# KiCad board mtt_final.kicad_pcb (continued)
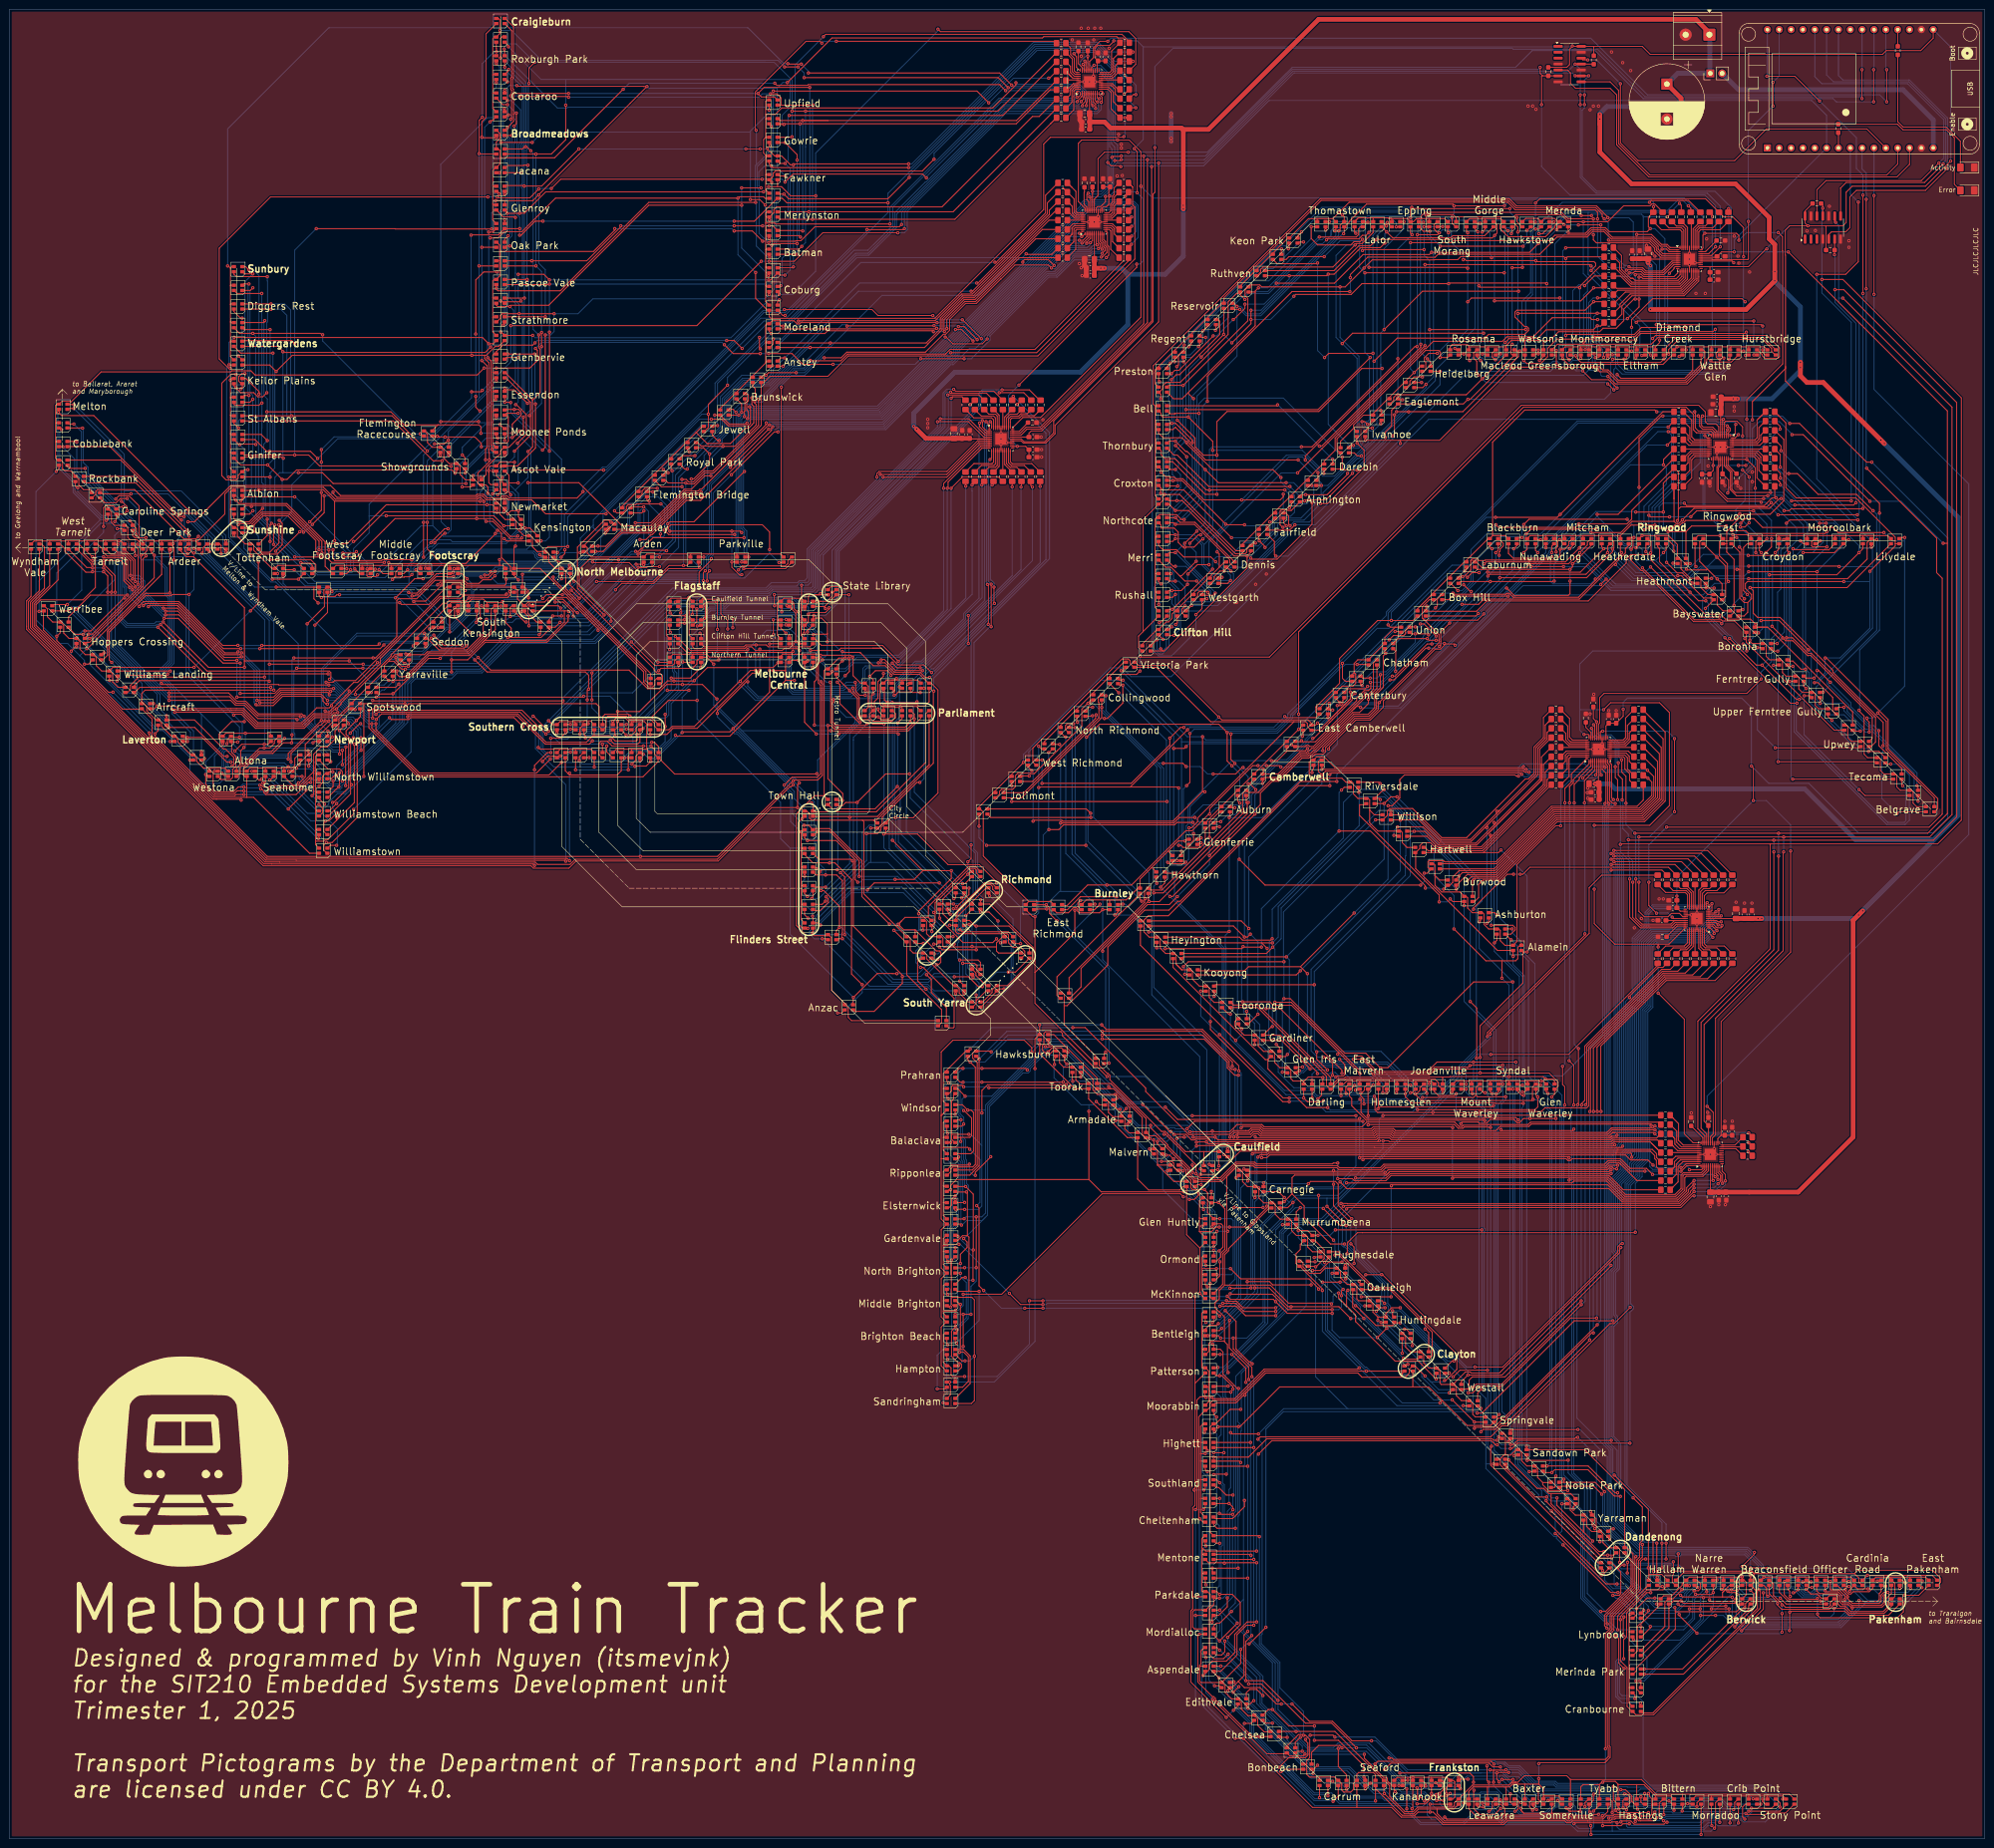
[diagram p0: board, top side]
## Routing (per net, layer and track width the routed paths; a pad name or vN(x,y) marks a point on that pad's centre or on a via; arc(x,y) is an arc through that point) (continued)
/L5_A8: length 231.6
  Top w0.2: v1(371.5,58.4) 374.1,61 374.1,61.4 v1(374.12,61.42) ; 342.7,231.19 342.7,230.7 343.1,230.3 343.1,222.75 343.7,222.15 344.22,222.15 v1(344.3,222.07) ; 363.65,56.1 367.4,56.1 ; 363.65,56.1 363.5,55.95 D409.3 ; 363.65,56.1 360.15,56.1 D410.3 ; 367.4,56.1 367.5,56 D406.3 ; 367.4,56.1 371.5,56.1 D405.3 371.95,55.45 372.4,55 372.4,52.35 D407.3 ; 359.43,55.45 358.65,54.67 358.65,54.35 356.4,52.1 354.65,52.1 D408.3
  Bottom w0.2: v1(374.12,61.42) 373.84,61.42 372.77,62.5 349.87,62.5 343.8,68.57 343.8,75.55 344.69,76.44 344.69,83.32 342.8,85.2 342.8,144.83 342.8,144.84 342.8,220.57 343.3,221.07 343.35,221.07 343.94,221.65 343.94,221.7 v1(344.3,222.07) ; v1(371.5,58.4) v1(371.5,56.2)
/L5_A9: length 216.8
  Top w0.2: 347.25,40.4 347.25,36.4 ; 347.25,40.4 D414.3 ; 347.25,40.4 347.25,44.4 ; 347.25,36.4 347.75,36.4 ; 347.25,36.4 347.25,32.4 ; 347.25,32.4 347.25,29.15 D411.3 ; 347.25,32.4 D412.3 ; 338.7,231.19 338.7,230.6 335.3,227.2 335.3,226.53 334.48,225.72 334.5,225.7 v1(334.5,222.2) ; v1(334.4,166.9) 335.4,165.9 v1(335.4,157.4) ; 347.25,44.4 347.25,47.91 v1(347.46,48.12) 347.74,48.4 ; 347.25,44.4 D415.3
  Bottom w0.2: v1(334.5,222.2) 334.5,167 v1(334.4,166.9) ; v1(335.4,157.4) 334.83,156.83 334.83,152.47 334.8,152.45 334.8,151.7 335,151.5 335,78.23 338.3,74.93 338.3,52.6 342.5,48.4 347.18,48.4 v1(347.46,48.12)
/L5_A10: length 214.6
  Top w0.2: 351.5,56.7 351.5,56.7 354.25,56.7 D417.3 ; 351.5,56.7 D418.3 ; 351.5,56.7 351.5,57.8 351.4,57.9 v1(351.4,58.1) 351.4,70.7 344.1,78 v1(344.09,78) ; 340.87,65.9 339.25,65.9 338.15,67 338.15,68.75 337.5,69.4 335.75,69.4 334.65,70.5 334.65,72.25 334,72.9 ; D419.3 344.95,62.45 345.25,62.15 v1(345.25,59.3) ; v1(343.9,222.9) 343.5,223.3 343.5,230.46 343.21,230.75 343.21,231.7 ; 341,65.9 341.65,65.25 341.65,63.5 342.75,62.4 344.45,62.4
  Bottom w0.2: v1(351.4,58.1) 351.2,57.9 345.62,57.9 345.25,58.27 v1(345.25,59.3) ; v1(343.9,222.9) 343.43,222.43 343.53,222.32 343.53,221.82 343.18,221.47 342.93,221.47 342.4,220.94 342.4,145 342.4,145 342.4,85.03 343.8,83.63 343.8,78.28 v1(344.09,78)
/L5_A11: length 221
  Top w0.2: D426.3 320.45,86.95 320.75,86.65 320.75,82.62 320.27,82.13 ; 320.27,82.13 319.65,81.52 ; 320.27,82.13 320.43,82.3 321.9,82.3 323.05,83.45 D425.3 ; 319.65,81.52 319.53,81.4 D428.3 ; 319.65,81.52 319.65,80.18 340.63,59.2 D427.3 ; 323.6,83.45 324.25,82.8 324.25,81.05 325.35,79.95 D424.3 ; v1(333.48,157.4) 333.48,161.32 333,161.8 v1(333,165.7) ; v1(334.1,74.7) 329.98,74.7 328.75,75.93 328.75,76.4 ; 327,79.9 327.65,79.25 327.65,77.5 328.75,76.4 ; 328.75,76.4 330.45,76.4 ; 338.19,231.7 334.9,228.41 334.9,226.7 333.5,225.3 v1(333.5,222.2)
  Bottom w0.2: v1(333.48,157.4) 333.28,157.2 333.28,78 334.6,76.68 334.6,75.2 v1(334.1,74.7) ; v1(333,165.7) 333.5,166.2 v1(333.5,222.2)
/L5_CS: length 187.8
  Top w0.2: U7.28 340.7,239.08 340.95,239.33 340.95,244.75 341.9,245.7 372.5,245.7 v1(375.6,248.8) ; v1(396.3,282.9) 381.7,282.9 v1(381,282.2) ; v1(387.5,335.6) 393.7,335.6 396.4,338.3 v1(396.4,351.1)
  Bottom w0.2: v1(396.3,282.9) 387.5,291.7 v1(387.5,335.6) ; v1(375.6,248.8) 375.6,250.3 377.8,252.5 377.8,257.5 379.1,258.8 379.1,267.4 379.8,268.1 379.8,276.4 381.05,277.65 381.05,282.15 v1(381,282.2) ; v1(396.4,351.1) 394.69,352.81 U1.8
/L5_K0B: length 7.3
  Top w0.2: U7.41 334.09,232.9 333.6,232.41 333.6,231.11 332.85,230.36
/L5_K0G: length 9.5
  Top w0.2: 333.2,228.71 R98.1 ; 333.2,228.71 333.2,228.71 332.9,228.41 ; 333.2,228.71 334,229.51 334,232.11 334.39,232.5 U7.42
/L5_K0R: length 10.1
  Top w0.2: 334.79,232.1 334.7,232.01 ; 334.79,232.1 334.79,232.1 U7.43 ; 334.79,232.1 334.7,232.01 ; 334.7,232.01 334.4,231.71 334.4,227.91 333.2,226.71 332.9,226.41
/L5_K1B: length 6.4
  Top w0.2: U7.37 334.31,234.5 R102.1
/L5_K1G: length 5.6
  Top w0.2: 332.66,234.1 U7.38
/L5_K1R: length 5.6
  Top w0.2: 333,232.51 333.79,233.3 U7.40
/L5_K2B: length 10.6
  Top w0.2: 338.19,235.7 335.11,235.7 334.5,236.31 334.5,240.31 R105.1
/L5_K2G: length 9
  Top w0.2: 332.9,239.91 333.2,239.61 333.39,239.43 334.1,238.71 334.1,235.91 334.71,235.3 U7.35
/L5_K2R: length 7.9
  Top w0.2: U7.36 334.48,234.9 333.7,235.68 333.7,237.11 R103.1
/L5_K3B: length 7.4
  Top w0.2: R108.1 347.3,237.21 347.3,235.81 346.39,234.9 U7.20
/L5_K3G: length 8.9
  Top w0.2: R107.1 346.9,238.81 346.9,236.01 346.19,235.3 U7.21
/L5_K3R: length 9.6
  Top w0.2: 343.21,235.7 345.99,235.7 346.5,236.21 346.5,240.41 347.84,241.75
/L5_K4B: length 5.1
  Top w0.2: 347.9,232.51 347.11,233.3 U7.16
/L5_K4G: length 5.2
  Top w0.2: U7.18 348.24,234.1
/L5_K4R: length 5.9
  Top w0.2: R109.1 346.59,234.5 U7.19
/L5_K5B: length 9.4
  Top w0.2: 348,226.41 347.37,227.04 347.37,228.47 346.36,229.49 346.36,231.76 346.01,232.1 U7.13
/L5_K5G: length 8
  Top w0.2: U7.14 346.31,232.5 346.9,231.91 346.9,229.51 348,228.41
/L5_K5R: length 7.5
  Top w0.2: 347.8,230.61 347.3,231.11 347.3,232.21 346.61,232.9 U7.15 ; 347.8,230.61 348.3,230.61 ; 347.8,230.61 R112.1
/L6_A0: length 171.1
  Top w0.2: 306.4,100.65 306.3,100.65 D436.3 ; 306.4,100.65 306.73,100.32 306.73,97.72 307,97.45 D435.3 312.15,100.1 313.2,100.1 313.4,99.9 319.45,99.9 345.25,125.7 345.25,126.55 v1(345.5,126.8) ; 306.4,100.65 306.07,100.98 ; 366.88,197.78 367,197.9 ; 366.88,197.78 U8.7 ; 366.88,197.78 367.01,197.91 v1(367.01,197.98) ; 302.9,104.15 302.57,104.48 ; 302.9,104.15 302.8,104.15 D437.3 300.35,104.45 299.35,105.45 299.35,107.72 298.67,108.4 ; 302.9,104.15 303.23,103.82 303.23,102.07 304.32,100.98 305.97,100.98 ; 309.6,97.45 310.23,96.82 310.23,95.07 311.32,93.98 312.97,93.98 ; 313.07,93.98 313.75,93.3 313.75,91.03 314.3,90.48 316.47,90.48
  Bottom w0.2: v1(345.5,126.8) 345.21,127.09 345.21,140.57 347.41,142.77 347.41,144.94 348.87,146.41 348.87,178.29 349.95,179.37 349.95,192.39 352.16,194.6 362.75,194.6 365.91,197.76 366.78,197.76 v1(367.01,197.98)
/L6_A1: length 202.1
  Top w0.2: 291.67,115.4 292.35,114.72 292.35,112.95 293.4,111.9 ; D443.3 286.84,118.9 285.4,120.34 285.4,121.67 ; D443.3 286.9,118.9 ; D443.3 288.55,118.9 ; v1(314.2,101.2) 320.18,101.2 344.84,125.86 344.84,126.99 345.45,127.6 345.73,127.6 v1(345.81,127.68) ; v1(367,196.7) 366.3,196.7 366.02,196.98 U8.5 ; 288.55,118.9 288.33,118.9 ; 288.55,118.9 288.9,118.55 288.9,115.8 289.3,115.4 D442.3 ; 293.4,111.9 v1(293.4,111.2) ; 293.4,111.9 D441.3 295.1,112.64 296.36,113.9 v1(298.2,113.9) ; D444.3 282.14,122.4 281.04,121.3 278.73,121.3 277.35,122.68 277.35,123.6 277.05,123.9 D440.3 ; v1(299.85,101.75) 299.45,101.75 D439.3 ; 285.4,121.67 285.4,120.3 ; 285.4,121.67 284.67,122.4
  Bottom w0.2: v1(293.4,111.2) 293.4,109.68 298.14,104.94 298.76,104.94 299.8,103.9 299.8,101.8 v1(299.85,101.75) ; v1(298.2,113.9) 298.2,113.72 308.45,103.47 310.15,103.47 312.42,101.2 v1(314.2,101.2) ; v1(345.81,127.68) 345.81,127.69 345.61,127.89 345.61,140.41 347.81,142.6 347.81,144.71 349.27,146.17 349.27,178.13 350.35,179.21 350.35,192.22 352.33,194.2 362.92,194.2 365.42,196.7 v1(367,196.7)
/L6_A2: length 190.6
  Top w0.2: 268.3,146.7 269,146.7 ; 269,146.7 269.65,146.7 270.02,147.07 344.53,147.07 344.53,147.07 347.63,147.07 347.81,146.89 v1(347.81,146.2) ; 269,146.7 268.17,146.7 v1(267.7,146.22) ; D445.3 279.4,125.9 278.35,126.95 278.35,129.1 278.05,129.4 277.65,129.4 ; v1(366.5,199.33) 366.5,198.3 366.38,198.18 U8.8 ; D446.3 275.95,129.4 274.9,130.45 274.9,132.6 274.6,132.9 D447.3 272.45,132.9 271.4,133.95 271.4,136.1 271.1,136.4 D448.3 268.95,136.4 267.9,137.45 v1(267.9,139.6) 267.6,139.9 D449.3 265.45,139.9 264.4,140.95 264.4,143.1 264.1,143.4 D450.3
  Bottom w0.2: v1(267.7,146.22) 267.5,146.02 267.5,140 v1(267.9,139.6) ; v1(366.5,199.33) 366.5,198.3 366.36,198.16 365.74,198.16 362.59,195 351.95,195 349.55,192.6 349.55,179.54 348.47,178.46 348.47,146.86 v1(347.81,146.2)
/L6_A3: length 269.2
  Top w0.2: 368.9,9.15 372.9,9.15 ; 368.9,9.15 364.9,9.15 ; 368.9,9.15 D454.3 ; 372.9,9.15 376.9,9.15 ; 372.9,9.15 D453.3 ; v1(351.9,52.78) 351.07,52.78 346.74,48.46 346.74,43.34 346.1,42.7 v1(346.1,38.6) ; v1(380.2,8.5) D451.3 380.25,9.15 376.9,9.15 ; U8.4 365.82,196.58 v1(366.35,196.05) ; v1(354.3,63.4) v1(354.3,58.1) ; 376.9,9.15 D452.3 ; D456.3 361.55,9.15 364.9,9.15 ; 364.9,9.15 D455.3
  Bottom w0.2: v1(351.9,52.78) 351.9,57.55 352.45,58.1 v1(354.3,58.1) ; v1(366.35,196.05) 366.1,196.3 365.59,196.3 363.09,193.8 352.5,193.8 350.75,192.06 350.75,179.04 349.67,177.96 349.67,146.01 348.21,144.54 348.21,142.44 346.41,140.64 346.41,75.69 354.3,67.8 v1(354.3,63.4) ; v1(346.1,38.6) 345.24,37.74 345.24,31.2 345.76,30.68 348.97,30.68 350.3,29.35 350.3,12.9 351.75,11.45 377.75,11.45 380.2,9 v1(380.2,8.5)
/L6_A4: length 245.2
  Top w0.2: D458.3 352.9,9.15 ; 352.9,9.15 356.25,9.15 D457.3 ; 352.9,9.15 350.45,11.6 348.9,11.6 ; v1(342.2,19.3) 342.2,44.05 343.2,45.05 343.2,48.02 348.9,53.72 348.9,59.8 349.5,60.4 349.5,63.35 350.1,63.95 350.1,71.15 v1(348.13,73.13) ; D459.3 348.9,11.6 ; 348.9,11.6 344.9,11.6 ; 344.9,11.6 D460.3 ; 344.9,11.6 344.9,11.7 344.3,12.3 341.6,12.3 340.9,11.6 ; v1(365.86,198.84) 365.6,198.58 U8.9 ; 340.9,11.6 337.4,11.6 336.9,11.1 D462.3 ; 340.9,11.6 D461.3
  Bottom w0.2: v1(365.86,198.84) 362.42,195.4 351.78,195.4 349.15,192.77 349.15,179.71 348.07,178.63 348.07,147.36 347,146.29 347,142.94 344.81,140.74 344.81,126.4 345.21,126 345.21,122.25 344.4,121.45 344.4,112.46 344.8,112.06 344.8,110.68 344,109.88 344,86.31 345.49,84.83 345.49,75.76 v1(348.13,73.13) ; v1(341.6,12.1) 342.2,12.7 v1(342.2,19.3)
/L6_A5: length 263.5
  Top w0.2: 342.53,16.77 343.2,17.43 343.2,19.72 343,19.92 343,43.72 344,44.72 344,47.69 349.7,53.39 349.7,59.47 350.24,60 v1(350.8,60) ; 342.53,16.77 342.07,16.3 327.9,16.3 ; 342.53,16.77 342.18,16.42 ; 328.9,9.1 328.9,10.7 327.9,11.7 ; 328.9,9.1 328.95,9.15 332.25,9.15 D463.3 ; 328.9,9.1 D464.3 ; D467.3 316.9,11.1 ; 316.9,11.1 320.9,11.1 ; 316.9,11.1 313.87,11.1 312.9,10.13 D468.3 ; U8.3 365.32,196.18 366.1,195.4 367,195.4 367.17,195.57 v1(367.17,195.92) ; 320.9,11.1 321.67,11.1 322.27,11.7 323.2,11.7 323.2,11.7 324.9,11.7 ; 320.9,11.1 D466.3 ; v1(355.2,63.4) v1(355.2,60) ; 327.9,11.7 327.9,12.7 ; 327.9,11.7 324.9,11.7 ; 327.9,12.7 v1(327.9,12.9) ; 327.9,12.7 327.9,12.8 ; 324.9,11.7 D465.3
  Bottom w0.2: v1(367.17,195.92) 366.7,195.45 365.3,195.45 363.25,193.4 352.66,193.4 351.16,191.89 351.16,178.88 350.08,177.8 350.08,145.84 348.77,144.53 348.77,142.43 346.81,140.47 346.81,75.86 355.2,67.47 v1(355.2,63.4) ; v1(327.9,12.9) v1(327.9,16.1) ; v1(355.2,60) v1(350.8,60)
/L6_A6: length 282.5
  Top w0.2: v1(295.8,17.3) 296.4,17.3 296.7,17 342.2,17 342.8,17.6 342.8,19.55 342.6,19.75 342.6,43.88 343.6,44.88 343.6,47.85 349.3,53.55 349.3,59.63 350.11,60.44 v1(350.11,63.11) ; D474.3 297.55,13.15 v1(300.9,13.15) ; U8.10 364.88,198.98 365.02,199.12 v1(365.02,200.6) ; D473.3 v1(300.9,13.15) ; v1(300.9,13.15) 304.9,13.15 ; D469.3 309.5,8.5 309.9,8.9 309.9,12.2 309.6,12.5 D471.3 308.25,13.15 304.9,13.15 ; D472.3 304.9,13.15
  Bottom w0.2: v1(365.02,200.6) 364.89,200.46 365,200.35 365,199.85 364.65,199.5 352.6,199.5 351.5,198.4 351.5,195.68 348.75,192.93 348.75,179.87 347.67,178.79 347.67,147.53 346.6,146.46 346.6,143.1 344.4,140.9 344.4,126.23 344.8,125.83 344.8,122.42 344,121.62 344,112.3 344.4,111.9 344.4,110.85 343.6,110.05 343.6,86.15 345.09,84.66 345.09,76.27 344.2,75.38 344.2,68.73 349.83,63.1 350.1,63.1 v1(350.11,63.11) ; v1(295.8,17.3) 299.95,13.15 v1(300.9,13.15)
/L6_A7: length 294.7
  Top w0.2: U8.2 365.12,195.78 v1(366.1,194.8) ; 284.97,12.5 285.65,11.82 285.65,10.45 286.1,10 287.6,10 288.15,10.55 288.15,11.82 288.83,12.5 ; 278.15,16 278.15,16.75 278.8,17.4 278.8,21.3 277.93,22.17 v1(277.47,22.17) 277.3,22.34 276.39,22.34 273.9,19.85 D480.3 ; 278.15,16 D479.3 ; 278.15,16 278.15,13.8 278.73,13.23 280.9,13.23 ; 280.9,13.23 284.17,13.23 D477.3 ; 280.9,13.23 D478.3 ; D476.3 288.9,13.8 289.3,14.2 292.43,14.2 292.9,13.73 D475.3 ; v1(347.5,114) 347.5,113.95 344.05,110.5 343.15,110.5 321.2,88.55 319.95,88.55 317.59,86.19 268.19,86.19 v1(267.7,85.7)
  Bottom w0.2: v1(277.47,22.17) 277.47,27.28 272.4,32.35 272.4,37.82 268.4,41.82 268.4,43.7 268.6,43.9 268.6,84.8 v1(267.7,85.7) ; v1(366.1,194.8) 365.22,194.8 363.42,193 352.83,193 351.56,191.72 351.56,178.71 350.48,177.63 350.48,145.67 349.17,144.37 349.17,142.26 347.21,140.31 347.21,114.29 v1(347.5,114)
/L6_A8: length 279.8
  Top w0.2: 266.97,26.4 267.24,26.12 ; 267.24,26.12 267.17,26.12 266.9,26.4 ; 267.24,26.12 267.65,25.72 267.65,24.3 269.05,22.9 270.3,22.9 ; 255.2,36.9 255.3,37 D485.3 ; 255.2,36.9 255.2,37.19 255.48,37.47 255.48,40.3 256.18,41 ; 255.2,36.9 255.2,33.8 255.5,33.5 D484.3 264,37.6 v1(264,40.6) ; D483.3 262.05,30 260.65,31.4 260.65,32.82 259.97,33.5 ; v1(314.7,91.3) 315.7,91.3 335.5,111.1 v1(343.8,111.1) ; 263.4,29.97 264.15,29.22 264.15,27.8 265.55,26.4 266.8,26.4 ; v1(265.8,41.8) 265.85,41.8 v1(269.4,45.35) ; 364.31,199.38 364.31,200.01 v1(364.4,200.1)
  Bottom w0.2: v1(264,40.6) 265.2,41.8 v1(265.8,41.8) ; v1(343.8,111.1) 343.6,111.3 343.6,121.78 344.4,122.58 344.4,125.67 344,126.07 344,141.07 346.2,143.27 346.2,146.63 347.27,147.69 347.27,178.96 348.35,180.04 348.35,193.1 351.1,195.85 351.1,198.57 352.2,199.67 352.43,199.9 364.2,199.9 v1(364.4,200.1) ; v1(269.4,45.35) 269.4,87.86 273.14,91.6 314.4,91.6 v1(314.7,91.3)
/L6_A9: length 269.5
  Top w0.2: v1(319,84.5) 318.63,84.5 317.75,85.38 270.68,85.38 v1(267.8,82.5) ; 255.65,56.65 256,57 D490.3 ; 255.65,56.65 255.65,60.9 ; 255.65,56.65 255.65,53.15 255.8,53 D489.3 256.85,53 257.45,52.4 257.45,50.05 257.47,50.03 256.43,49 ; 255.65,62.5 255.65,60.9 ; 255.65,62.5 255.65,64.32 256.33,65 ; 255.65,62.5 256.45,61.7 v1(267.4,61.7) ; 255.65,60.9 255.75,61 D491.3 ; v1(321.8,83.7) 322.17,83.7 323.32,84.85 v1(347.45,84.85) ; v1(365.5,194.2) 365.5,194.5 364.62,195.38 364.31,195.38 ; D488.3 255.75,49 255.65,49.1 254.1,49.1 253.7,48.7 253.7,45.4 254.1,45 D487.3
  Bottom w0.2: v1(319,84.5) 319.8,83.7 v1(321.8,83.7) ; v1(267.8,82.5) 267.4,82.1 v1(267.4,61.7) ; v1(347.45,84.85) 347.45,112.95 348.2,113.7 348.2,114.15 347.65,114.7 347.61,114.7 347.61,140.14 349.57,142.1 349.57,144.2 350.88,145.51 350.88,177.46 351.96,178.54 351.96,191.56 353,192.59 363.58,192.59 365.19,194.2 v1(365.5,194.2)
/L6_A10: length 247.9
  Top w0.2: D494.3 255.4,73 ; 255.4,73 255.4,77 ; 255.4,73 255.4,70 D493.3 ; v1(343.45,85.45) 323.35,85.45 322.45,84.55 v1(321.87,84.55) ; 255.4,77 255.4,81 ; 255.4,77 D495.3 ; 255.4,81 D496.3 ; 255.4,81 255.4,82.6 ; 255.4,82.6 255.4,85 ; 255.4,82.6 v1(256.4,82.6) ; 255.4,85 D497.3 ; 255.4,85 255.4,88.45 255.95,89 D498.3 ; v1(364,200.8) 363.8,200.6 363.8,199.89 ; v1(318.96,85.48) 318.22,85.48 317.91,85.79 269.59,85.79 265.65,81.85 v1(258.2,81.85)
  Bottom w0.2: v1(318.96,85.48) 319.88,84.55 v1(321.87,84.55) ; v1(258.2,81.85) 257.45,82.6 v1(256.4,82.6) ; v1(364,200.8) 363.5,200.3 352.27,200.3 350.7,198.73 350.7,196.02 347.95,193.26 347.95,180.2 346.87,179.12 346.87,147.86 345.8,146.79 345.8,143.43 343.6,141.24 343.6,125.9 344,125.5 344,122.75 343.2,121.95 343.2,85.7 v1(343.45,85.45)
/L6_A11: length 210
  Top w0.2: D500.3 256.85,97 257.15,96.7 ; 255.65,108.65 256,109 D503.3 256.4,109.35 257.24,110.19 257.66,110.19 257.71,110.15 258.85,110.15 v1(259.2,110.5) ; 255.65,108.65 255.65,105.15 ; 255.65,108.65 255.65,112.7 255.95,113 D504.3 ; 257.15,96.7 257.15,93.75 D499.3 ; 257.15,96.7 257.15,100.32 256.47,101 ; 255.65,105.15 255.8,105 D502.3 ; 255.65,105.15 255.65,101.15 255.8,101 D501.3 ; v1(286.8,125.5) 286.85,125.55 286.85,127.82 289.03,130 290.1,130 348.5,130 v1(348.6,130.1) ; v1(285.7,123.7) 282.87,123.7 281.07,121.9 v1(279.4,121.9) ; v1(265.4,119.5) 270.18,119.5 270.88,118.8 v1(279.1,118.8) ; v1(365.21,193.37) 365.07,193.51 365.07,193.6 363.8,194.87
  Bottom w0.2: v1(285.7,123.7) 286.8,124.8 v1(286.8,125.5) ; v1(265.4,119.5) 265.4,116.38 259.52,110.5 v1(259.2,110.5) ; v1(279.1,118.8) 279.1,121.6 v1(279.4,121.9) ; v1(348.6,130.1) 348.6,140.56 350.05,142.01 350.05,144.12 351.28,145.34 351.28,177.3 352.36,178.38 352.36,191.36 353.19,192.19 363.75,192.19 364.93,193.37 v1(365.21,193.37)
/L6_CS: length 237.8
  Top w0.2: v1(353.15,198.55) 351.5,200.2 v1(351.5,205.2) ; v1(398.1,351.7) v1(398.1,332.5) ; U8.28 356.82,197.38 v1(356.5,197.7) ; v1(398.2,294) 413.2,279 413.2,271.6 414.4,270.4 414.4,219.8 411.6,217 v1(355.3,217)
  Bottom w0.2: v1(398.2,294) 398.1,294.1 v1(398.1,332.5) ; v1(398.1,351.7) 398.1,357.3 397.24,358.17 U1.9 ; v1(356.5,197.7) 355.6,198.6 353.2,198.6 v1(353.15,198.55) ; v1(355.3,217) 351.5,213.2 v1(351.5,205.2)
/L6_K0B: length 7.1
  Top w0.2: R118.1 364.5,190.7 363.2,190.7 362.6,191.3 U8.41
/L6_K0G: length 8.5
  Top w0.2: R117.1 366.1,191.1 363.6,191.1 363,191.7 U8.42
/L6_K0R: length 9.9
  Top w0.2: R116.1 367.7,191.5 363.9,191.5 363.4,192 U8.43
/L6_K1B: length 5.9
  Top w0.2: R121.1 361,191.4 U8.37
/L6_K1G: length 5.2
  Top w0.2: U8.38 R120.1
/L6_K1R: length 5.7
  Top w0.2: R119.1 362.2,191 U8.40
/L6_K2B: length 10.1
  Top w0.2: 359.8,194.87 359.8,192.2 359.1,191.5 355.1,191.5 R124.1
/L6_K2G: length 8.8
  Top w0.2: U8.35 360.2,191.9 359.4,191.1 356.7,191.1 R123.1
/L6_K2R: length 7.3
  Top w0.2: R122.1 358.3,190.7 359.6,190.7 360.6,191.7 U8.36
/L6_K3B: length 7.1
  Top w0.2: U8.20 360.6,202.9 359.7,203.8 358.3,203.8 R127.1
/L6_K3G: length 8.6
  Top w0.2: R126.1 356.7,203.4 359.5,203.4 360.2,202.7 U8.21
/L6_K3R: length 9.9
  Top w0.2: R125.1 355.1,203 359.3,203 359.8,202.5 359.8,199.89
/L6_K4B: length 5.4
  Top w0.2: U8.16 362.2,203.5 R130.1
/L6_K4G: length 4.9
  Top w0.2: U8.18 R129.1
/L6_K4R: length 5.6
  Top w0.2: U8.19 361,203.1 R128.1
/L6_K5B: length 9.5
  Top w0.2: U8.13 363.4,202.3 364,202.9 367.6,202.9 R133.1
/L6_K5G: length 8.2
  Top w0.2: U8.14 363,202.8 363.6,203.4 366.1,203.4 R132.1
/L6_K5R: length 6.9
  Top w0.2: R131.1 364.5,203.8 363.2,203.8 362.6,203.2 U8.15
/L7_A0: length 154.3
  Top w0.2: v1(280.7,117.9) 280.7,118.05 278.65,120.1 264,120.1 v1(261.8,122.3) ; 255.65,121.15 255.8,121 D506.3 ; 255.65,121.15 255.65,122.3 ; 255.65,121.15 255.65,117.75 D505.3 ; v1(361.2,141.2) 361.15,141.2 359.6,139.65 359.6,138.94 357.66,137 345.96,137 342.69,140.27 296.5,140.27 v1(296.3,140.07) ; 255.65,122.3 255.65,124.7 255.95,125 D507.3 ; 255.65,122.3 v1(258.8,122.3) ; v1(365.3,141.2) 365.09,141.41 U9.7 ; v1(281.5,119.4) v1(285.3,119.4) ; v1(289.85,116.25) v1(296.25,116.25)
  Bottom w0.2: v1(365.3,141.2) v1(361.2,141.2) ; v1(280.7,117.9) 281.5,118.7 v1(281.5,119.4) ; v1(296.25,116.25) 296.25,139.95 296.3,140 v1(296.3,140.07) ; v1(258.8,122.3) v1(261.8,122.3) ; v1(289.85,116.25) 286.7,119.4 v1(285.3,119.4)
/L7_A1: length 132.6
  Top w0.2: v1(261.6,131.2) 265.45,131.2 269.6,135.35 v1(269.6,135.7) ; 255.83,137.5 255.15,136.82 255.15,133.15 ; 255.15,130.25 257.75,130.25 258.7,131.2 v1(259.4,131.2) ; 255.15,130.25 255.15,133.15 ; 255.15,130.25 D511.3 ; 255.15,133.15 255.3,133 D512.3 ; U9.5 364.29,143.29 363.1,142.1 359.5,142.1 359.2,141.8 359.2,139.1 357.5,137.4 346.13,137.4 342.45,141.07 335.4,141.07 335,140.67 286.73,140.67 v1(286.7,140.7)
  Bottom w0.2: v1(269.6,135.7) 269.6,138.23 270.77,139.4 285.4,139.4 v1(286.7,140.7) ; v1(259.4,131.2) v1(261.6,131.2)
/L7_A2: length 152.2
  Top w0.2: v1(290.2,153.9) 254.1,153.9 v1(252.5,152.3) ; 345.1,145.86 335.04,145.86 334.65,145.47 334.15,145.47 333.75,145.87 290.37,145.87 290.2,145.7 v1(290.2,145.67) ; 345.1,145.86 345.44,145.86 347.5,143.8 351,143.8 v1(352.3,142.5) ; 345.1,145.86 345.37,145.86 ; 246.15,144.52 249.67,141 D517.3 ; 246.15,144.52 246.15,147.6 245.85,147.9 245.5,147.9 ; 246.15,144.52 246.17,144.5 D518.3 ; U9.8 365.49,142.21 v1(365.7,142) ; D519.3 245.4,149.8 v1(245.3,149.9)
  Bottom w0.2: v1(252.5,152.3) 250,152.3 249.8,152.5 248.8,152.5 248.4,152.1 248.4,150.9 247.7,150.2 245.6,150.2 v1(245.3,149.9) ; v1(352.3,142.5) 365.2,142.5 v1(365.7,142) ; v1(290.2,153.9) v1(290.2,145.67)
/L7_A3: length 160.4
  Top w0.2: v1(289.5,154.5) 289.3,154.3 250.47,154.3 v1(247.83,156.93) ; v1(334.4,146.07) 334.2,146.27 289.67,146.27 289.5,146.1 v1(289.5,146.07) ; U9.4 363.89,143.45 362.93,142.5 359.11,142.5 358.8,142.19 358.8,139.33 357.27,137.8 346.3,137.8 342.62,141.47 334.57,141.47 334.4,141.3 v1(334.4,141.27) ; 235,158.4 235.35,158.4 235.65,158.1 235.65,155.8 236.55,154.9 238.85,154.9 239.15,154.6 239.15,152.3 240.05,151.4 241.8,151.4 ; v1(239.45,156.65) 238.4,155.6 D524.3
  Bottom w0.2: v1(289.5,146.07) v1(289.5,154.5) ; 334.4,141.4 334.4,141.4 334.4,141.6 ; v1(239.45,156.65) 239.7,156.9 247.8,156.9 v1(247.83,156.93) ; v1(334.4,146.07) 334.4,141.6 ; 334.4,141.6 v1(334.4,141.27)
/L7_A4: length 199.1
  Top w0.2: 228,165.4 228.35,165.4 228.65,165.1 228.65,162.8 229.55,161.9 231.4,161.9 ; 366.3,142.25 365.89,142.66 U9.9 ; 366.3,142.25 v1(366.3,141.4) ; 366.3,142.25 365.94,142.61 ; v1(235.35,163.51) 235.29,163.51 233.2,165.6 232.43,165.6 225.77,172.26 225.77,172.77 225.4,173.15 222.18,173.15 221.8,172.77 221.8,170.45 221.5,170.15 221.5,169.15 222.45,168.2 222.95,168.2 223.75,169 D531.3 224.85,169 225.15,168.7 225.15,166.4 226.05,165.5 D530.3 ; v1(361.2,140.4) 361.15,140.4 360,139.25 360,138.77 357.83,136.6 345.8,136.6 342.92,139.47 286.73,139.47 v1(285.3,140.9) ; v1(253.6,155.1) v1(288.7,155.1)
  Bottom w0.2: v1(285.3,140.9) 288.7,144.3 v1(288.7,155.1) ; v1(361.2,140.4) 365.4,140.4 366.3,141.3 v1(366.3,141.4) ; v1(253.6,155.1) 251.9,155.1 243.49,163.51 v1(235.35,163.51)
/L7_A5: length 271.7
  Top w0.2: v1(263.6,164.7) 263.6,165.8 255.8,173.6 235.2,173.6 v1(234.2,174.6) ; D536.3 201.75,95.2 201.75,97.27 201.59,97.43 v1(201.59,97.95) D537.3 ; v1(219.89,165.2) 219.89,171.6 220.79,172.5 ; v1(309.4,141.68) 309.6,141.87 342.79,141.87 346.46,138.2 357.1,138.2 358.4,139.5 358.4,142.36 358.94,142.9 362.77,142.9 363.49,143.62 U9.3 ; v1(264.1,152.51) 264.4,152.81 268.37,152.81 268.86,152.31 292.01,152.31 292.43,152.73 309.27,152.73 v1(309.45,152.55) ; D535.3 v1(220.9,174.6)
  Bottom w0.2: v1(309.45,152.55) 309.4,152.5 v1(309.4,141.68) ; v1(219.89,165.2) 219.89,106.69 211.15,97.95 v1(201.59,97.95) ; v1(263.6,164.7) 264.1,164.2 264.1,163.8 264.1,163.8 v1(264.1,152.51) ; v1(220.9,174.6) v1(234.2,174.6)
/L7_A6: length 214.7
  Top w0.2: 366.9,142.3 366.9,141.1 ; 366.9,142.3 366.9,141.05 v1(366.33,140.48) ; 366.9,142.3 366.29,142.91 U9.10 ; 200.25,104.9 200.25,108.15 200.55,108.45 D543.3 ; 200.25,104.9 200.25,102.2 D541.3 201.45,101.45 201.9,101 201.9,99.5 202.25,99.15 v1(204.8,99.15) ; 200.25,104.9 200.3,104.95 D542.3 ; v1(260.95,115.45) 261.1,115.3 263.1,115.3 264.5,113.9 v1(271.5,113.9) ; v1(361.2,139.6) 361.15,139.6 360.4,138.85 360.4,138.6 358,136.19 286.9,136.19 286.82,136.27 v1(285.5,136.27) ; v1(218.7,115.4) v1(221.6,115.4)
  Bottom w0.2: v1(271.5,113.9) 271.7,113.9 272.3,114.5 272.3,130.17 274.72,132.58 281.68,132.58 285.37,136.27 v1(285.5,136.27) ; v1(260.95,115.45) 221.65,115.45 v1(221.6,115.4) ; v1(218.7,115.4) 218.7,106.1 211.75,99.15 v1(204.8,99.15) ; v1(366.33,140.48) 365.45,139.6 v1(361.2,139.6)
/L7_A7: length 201.2
  Top w0.2: v1(352.4,144.5) 351.3,145.6 347.56,145.6 346.49,146.67 343.7,146.67 343.7,146.67 270.19,146.67 269.61,146.09 v1(268.49,146.09) ; D549.3 200.55,118.95 200.25,118.65 200.25,115.4 ; D547.3 200.25,112.7 200.25,113.2 ; U9.2 363.09,143.79 362.8,143.5 v1(360.2,143.5) ; v1(202.9,113.4) 202.7,113.2 200.25,113.2 ; 200.25,113.2 200.25,115.4 ; v1(253,137.13) 254.03,137.13 255,138.1 v1(255,138.5) ; D548.3 200.3,115.45 200.25,115.4 ; v1(253.62,144.52) 253.62,144.28 253.68,144.22 v1(253.68,142.91) ; v1(251.7,137.7) 251.05,138.35 234.3,138.35 212.75,116.8 v1(204.5,116.8) ; v1(268,148.5) 267.8,148.7 254.6,148.7 v1(254.5,148.6)
  Bottom w0.2: v1(253.68,142.91) 253.8,142.78 253.8,139.7 v1(255,138.5) ; v1(268,148.5) 268.49,148.01 v1(268.49,146.09) ; v1(253.62,144.52) 253.62,147.72 v1(254.5,148.6) ; v1(251.7,137.7) 252.43,137.7 v1(253,137.13) ; v1(204.5,116.8) 204.5,114.38 203.52,113.4 v1(202.9,113.4) ; v1(352.4,144.5) 352.92,143.98 357,143.98 357.72,144.7 359.3,144.7 360.2,143.8
/L7_A8: length 206.3
  Top w0.2: v1(286,135.65) 286.14,135.79 358.16,135.79 361.17,138.8 v1(361.2,138.8) ; 200.25,127.2 200.25,128.77 200.93,129.45 ; 200.25,127.2 200.25,125.98 ; 200.25,127.2 201.1,127.2 201.4,127.5 v1(203.6,127.5) ; 200.97,125.98 200.25,125.98 ; 200.25,125.98 200.25,123.2 D553.3 ; v1(221.6,114.6) 216.8,114.6 v1(214.4,117) ; v1(367.3,140.6) 367.3,140.6 367.3,142.47 366.69,143.08 366.69,144.29 ; v1(271.5,113.1) 264.7,113.1 262.95,114.85 v1(260.15,114.85)
  Bottom w0.2: v1(260.15,114.85) 222.55,114.85 222.3,114.6 v1(221.6,114.6) ; v1(214.4,117) 203.9,127.5 v1(203.6,127.5) ; v1(286,135.65) 282.53,132.18 274.88,132.18 272.7,130 272.7,114.1 271.7,113.1 v1(271.5,113.1) ; v1(361.2,138.8) 365.5,138.8 v1(367.3,140.6)
/L7_A9: length 211.4
  Top w0.2: D559.3 200.25,133.7 200.25,136.4 ; D560.3 200.3,136.45 200.25,136.4 ; 200.25,140.15 200.45,139.95 D561.3 ; 200.25,140.15 200.25,143.15 200.55,143.45 D515.3 202.05,144.5 205.6,144.5 205.8,144.7 v1(205.83,144.7) ; 200.25,140.15 200.25,136.4 ; v1(244.7,153) 244.7,152.5 248.33,148.87 248.33,148.6 253.05,143.89 253.05,142.69 254.08,141.65 254.72,141.65 254.97,141.4 259.78,141.4 263.11,144.73 266.84,144.73 267.22,144.35 284.77,144.35 285.17,143.95 293.96,143.95 294.69,144.68 342,144.68 342.78,145.46 345.25,145.46 347.52,143.2 v1(350.65,143.2) ; v1(358.37,143.18) 358.39,143.2 358.47,143.2 359.67,144.4 362.58,144.4 362.69,144.29 ; v1(207.1,142.3) 207.1,142.95 210.4,146.25 v1(210.4,146.3)
  Bottom w0.2: v1(244.7,153) 244.7,153 242.17,153 238.79,156.39 238.79,156.67 238.37,157.09 238.09,157.09 227.09,168.09 221.7,168.09 218.85,165.23 218.85,164.67 218.46,164.28 217.32,164.28 210.1,157.05 210.1,146.6 v1(210.4,146.3) ; v1(207.1,142.3) 206.7,142.3 205.83,143.17 v1(205.83,144.7) ; v1(350.65,143.2) 350.68,143.18 v1(358.37,143.18)